# Altium PCB 2 Layers.PcbDoc (part 1 of 2)
Units mm, origin at the board's own origin, x right, y up, seen from the top; angles counter-clockwise.
Board outline 88.4 x 35.06 mm, 4 copper layers (Top Layer 1, Signal 1, Signal 2, Bottom Layer 1), stack 1.782 mm thick; 98 components, 66 nets, 394 pads, 465 vias.
Unrouted connection lines stored in the file: 2.
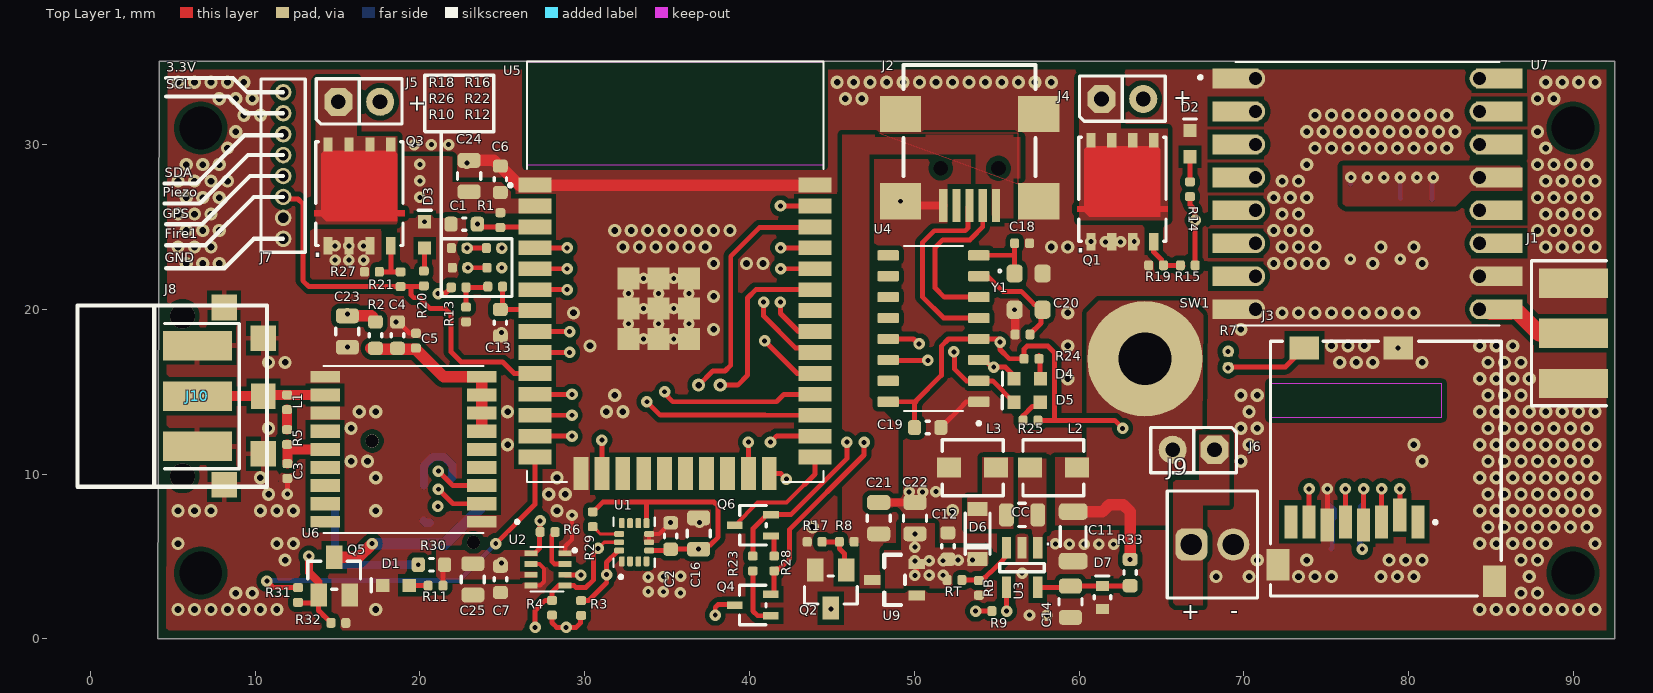
[diagram p0: Top Layer 1 view]
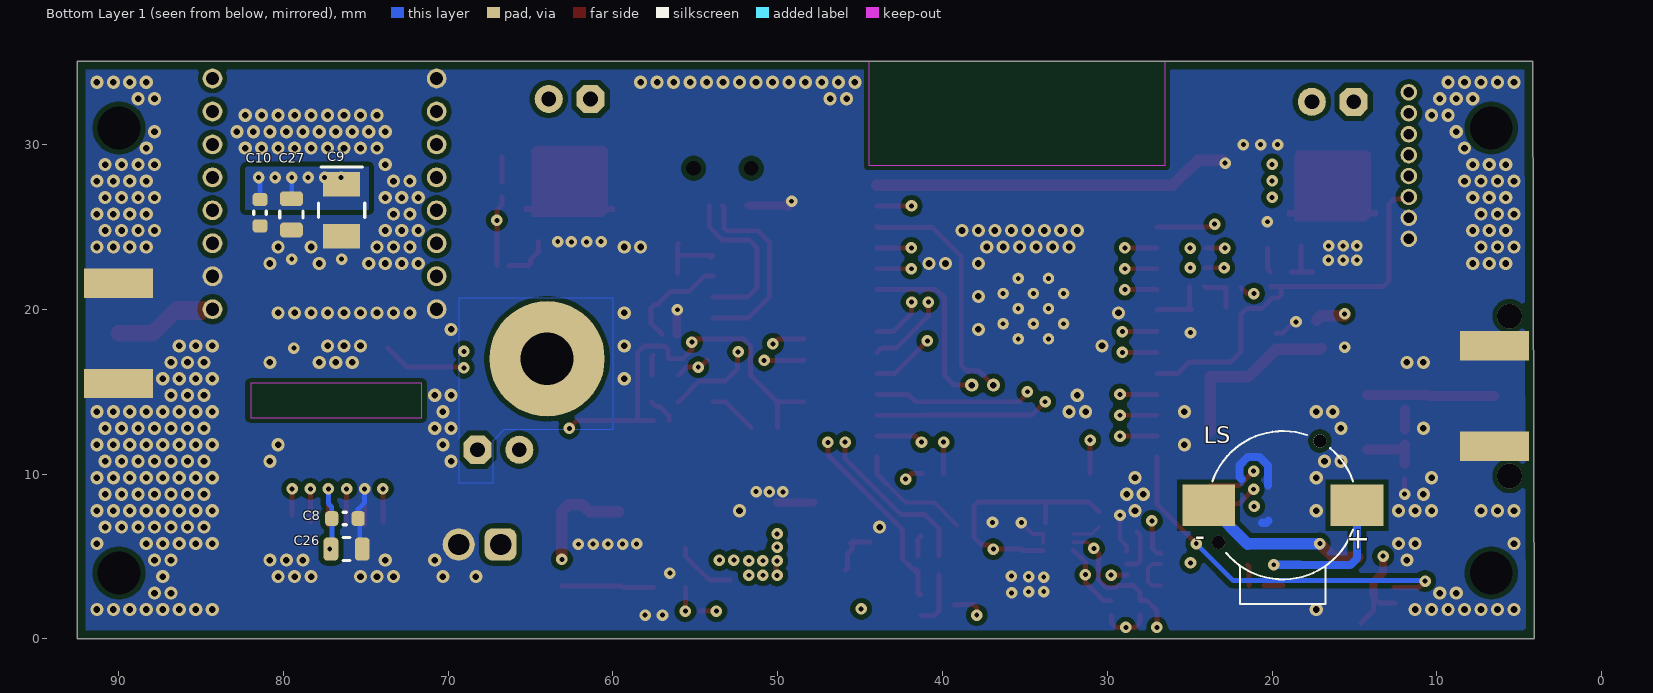
[diagram p1: Bottom Layer 1 view, seen from below]
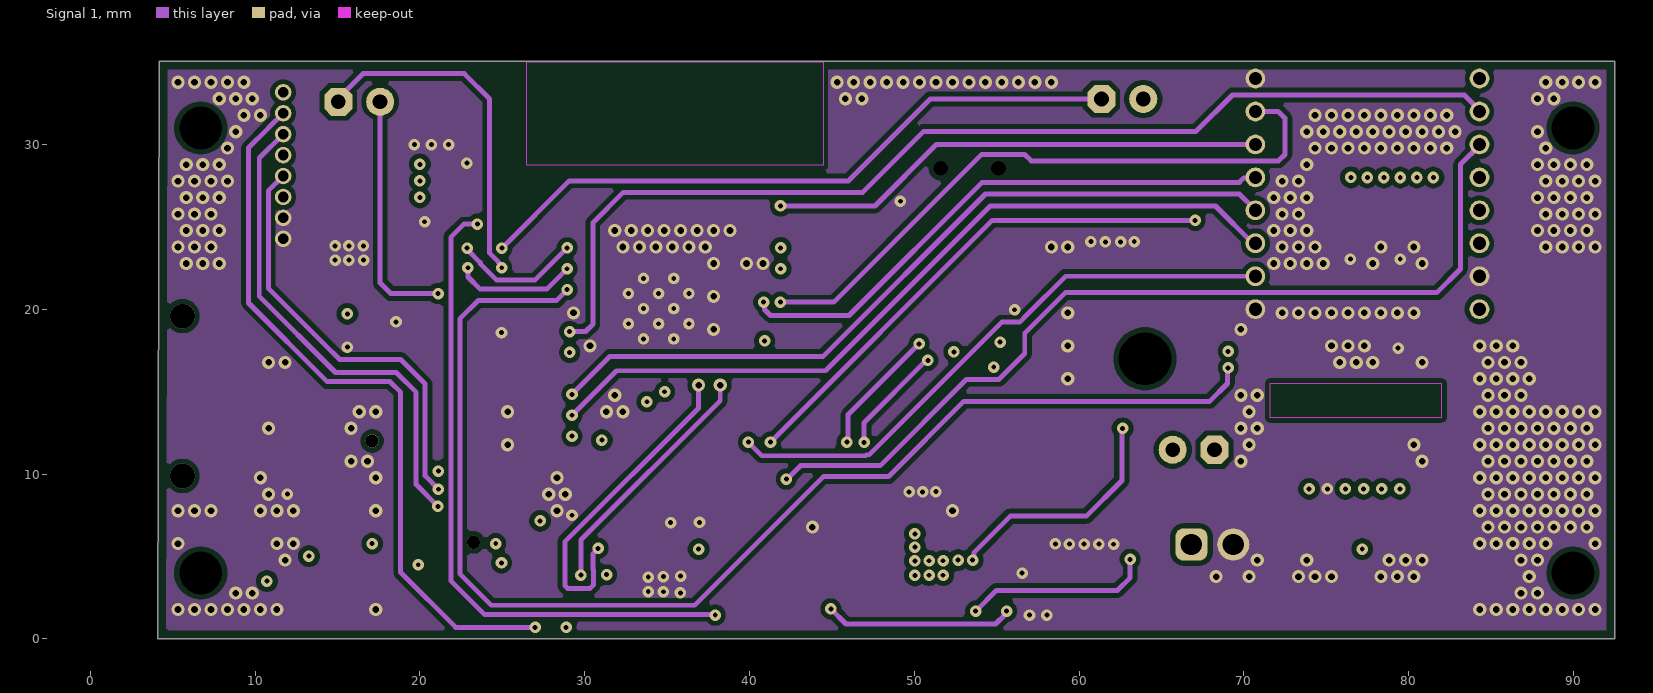
[diagram p2: Signal 1]
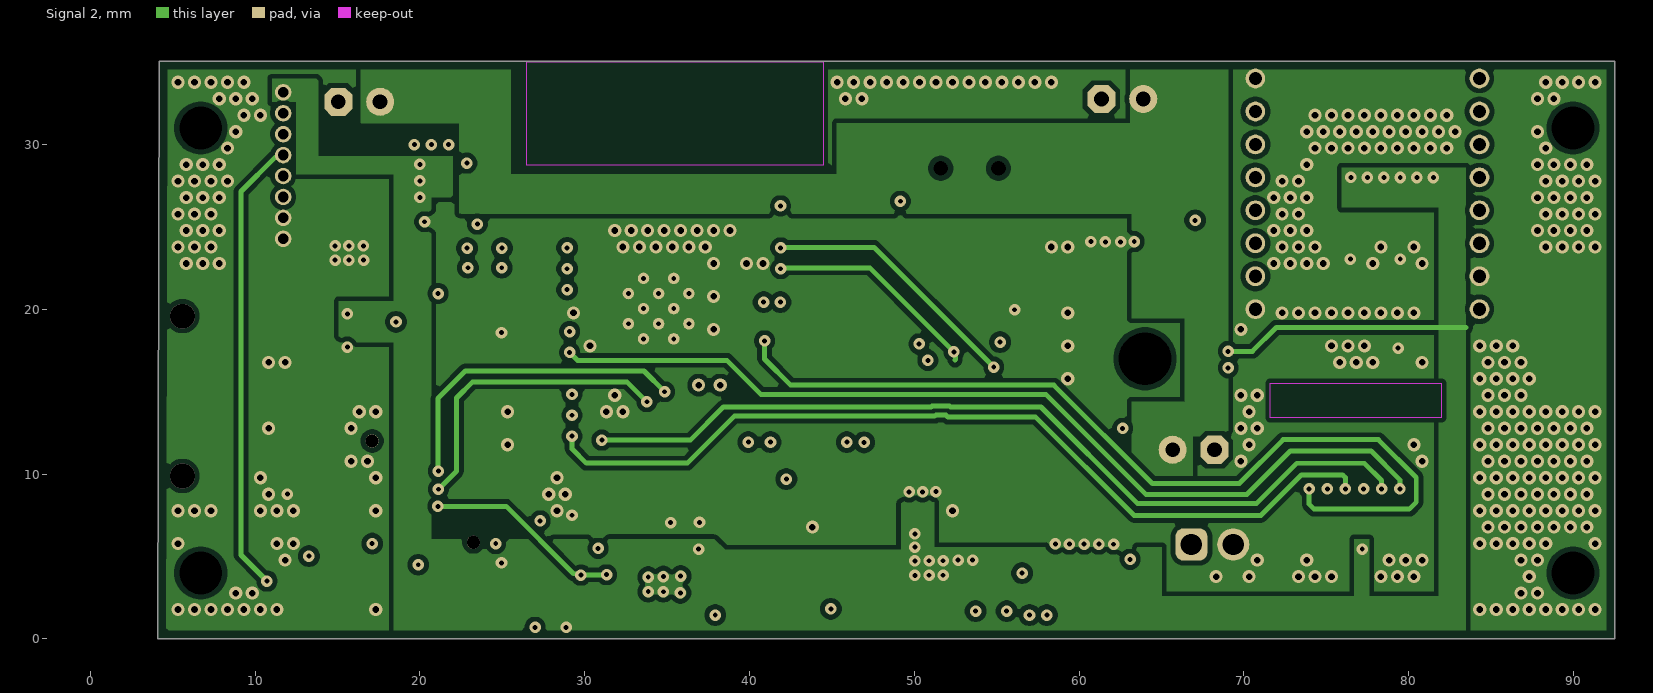
[diagram p3: Signal 2]

## Layer stack, top to bottom
Top Solder: solder mask 0.01, Solder Resist, Dk 3.5
Top Layer 1: signal copper 0.035
Dielectric 1: prepreg 0.0711, PP-006, Dk 4.1
Signal 1: signal copper 0.035
Dielectric1: core 1.5, FR-4, Dk 4.8
Signal 2: signal copper 0.035
Dielectric 2: prepreg 0.0711, PP-006, Dk 4.1
Bottom Layer 1: signal copper 0.035
Bottom Solder: solder mask 0.01, Solder Resist, Dk 3.5

## Board outline
4.101,0 92.5,0 92.5,35.062 4.18,35.062

## Design rules (kind name [scope] priority, off if disabled: settings)
AcuteAngle [All] p1: minimum=9.00000000000000E+0001 checktracksonly=TRUE
BoardOutlineClearance BoardOutlineClearance_Overlay [OnLayer('Top Overlay','Bottom Overlay')] p1: gap=0.2 ignorepadtopadclearanceinfootprint=FALSE
BoardOutlineClearance [All] p2: gap=0.5 ignorepadtopadclearanceinfootprint=FALSE
Clearance "Net to Polygon 0.5mm" [InNet('your net here') vs (IsRegion)] p1: gap=0.5 ignorepadtopadclearanceinfootprint=FALSE
Clearance Clearance_1 [(InNet('VBat') AND InNet('NetJ6_1')) vs OnLayer('Multi-Layer')] p2: gap=0 ignorepadtopadclearanceinfootprint=TRUE
Clearance "Poly 0.3mm" [(IsRegion)] p3: gap=0.3 ignorepadtopadclearanceinfootprint=FALSE
Clearance [All] p4: gap=0.25 ignorepadtopadclearanceinfootprint=TRUE except(0.2: SMDPad-SMDPad)
ComponentClearance ComponentClearance_ignore [InComponent('SW1')] p1: gap=0 collisioncheckmode=3 verticalgap=0 showdistances=FALSE
ComponentClearance [All] p2: gap=0.2 collisioncheckmode=3 verticalgap=0.2 showdistances=FALSE
DiffPairsRouting [All] p1: maxlimit=0.254 minlimit=0.25 mostfreqgap=0.254 toplayer_maxgap=0.25 toplayer_prefgap=0.25 toplayer_minwidth=0.25 toplayer_maxwidth=0.25 toplayer_prefwidth=0.25 midlayer1_mingap=0.254 midlayer1_minwidth=0.381 midlayer1_maxwidth=0.381 midlayer1_prefwidth=0.381 midlayer2_mingap=0.254 midlayer2_minwidth=0.381 midlayer2_maxwidth=0.381 midlayer2_prefwidth=0.381 bottomlayer_maxgap=0.25 bottomlayer_prefgap=0.25 bottomlayer_minwidth=0.25 bottomlayer_maxwidth=0.25 bottomlayer_prefwidth=0.25 maxuncoupledlength=12.7
FabricationTestPointUsage TestPointUsage [All] p1: valid=0 allowmultiple=FALSE
FabricationTestpoint Testpoint [All] p1: side=3 testpointundercomponent=TRUE minsize=1.016 maxsize=2.54 preferedsize=1.524 minholesize=0 maxholesize=1.016 preferedholesize=0.813 testpointgrid=0.025 allowsidetop=TRUE allowsidebottom=TRUE usegrid=TRUE gridtolerance=0
HoleSize [All] p1: absolutevalues=TRUE maxlimit=6 minlimit=0.25 maxpercent=80.000 minpercent=20.000
HoleToHoleClearance [All] p1: gap=0.3 allowstackedmicrovias=FALSE
MinimumAnnularRing [All] p1: minimumring=0.15
MinimumSolderMaskSliver [All] p1: minsoldermaskwidth=0.15
NetsToIgnore [InNet('VBat', 'NetJ6_1')] p1:
PasteMaskExpansion PasteMaskExpansion_DNP [IsPad AND HasCompParameterValue('Populated','DNP')] p1: expansion=-5
PasteMaskExpansion [All] p2: expansion=0
PlaneClearance PlaneClearance_pads [IsPad] p1: clearance=0.3
PlaneClearance PlaneClearance_drill [IsObjectKind('Hole')] p2: clearance=0.4
PlaneConnect PlaneConnect_full [IsVia] p1: planeconnectstyle=Direct reliefexpansion=0.5 reliefentries=4 reliefconductorwidth=0.3 reliefairgap=0.3
PlaneConnect [All] p2: planeconnectstyle=Relief reliefexpansion=0.3 reliefentries=4 reliefconductorwidth=0.25 reliefairgap=0.25
PolygonConnect PolygonConnect_0.7 [IsNamedPolygon('0.7mm') vs (InPadClass('All Pads'))] p1: connectstyle=Relief reliefconductorwidth=0.7 reliefentries=4 polygonreliefangle="90 Angle" airgapwidth=0.25
PolygonConnect PolygonConnect_0.5 [IsNamedPolygon('0.5mm') vs (InPadClass('All Pads'))] p2: connectstyle=Relief reliefconductorwidth=0.5 reliefentries=4 polygonreliefangle="90 Angle" airgapwidth=0.25
PolygonConnect PolygonConnect_full [All vs IsVia or IsNamedPolygon('full')] p3: connectstyle=Direct reliefconductorwidth=0 reliefentries=4 polygonreliefangle="90 Angle" airgapwidth=0.254
PolygonConnect [All] p4: connectstyle=Relief reliefconductorwidth=0.3 reliefentries=4 polygonreliefangle="90 Angle" airgapwidth=0.25
RoomDefinition PowerSupply [InComponentClass('PowerSupply')] p1 off: confinementstyle=ConfineIn formatcopy=TRUE lockcomponents=FALSE outline -327.18,-494.218 -276.38,-494.218 -276.38,-468.818 -327.18,-468.818
RoutingCorners [All] p1: cornerstyle=45-Degree minsetback=2.5 maxsetback=2.5
RoutingLayers [All] p1: top layer_v5=TRUE mid layer 1_v5=FALSE mid layer 2_v5=FALSE bottom layer_v5=TRUE
RoutingVias [All] p1: holewidth=0.4 width=0.8 viastyle="Through Hole" minholewidth=0.3 minwidth=0.7 maxholewidth=1.6 maxwidth=2.5
SMDToCorner [All] p1: distance=39370
ShortCircuit [IsNet] p1: allowed=FALSE
SilkToSilkClearance [All] p1: silktosilkclearance=0.15
SilkToSolderMaskClearance SilkscreenOverComponentPads [IsPad] p1: minsilkscreentomaskgap=0.2 clearancetoexposedcopper=TRUE
SolderMaskExpansion SolderMaskExpansion_Component_Via [IsComponentVia] p1: expansion=0.075 istentingtop=FALSE soldermaskfromhole=TRUE
SolderMaskExpansion [All] p2: expansion=0.1 istentingtop=FALSE
UnRoutedNet [All] p1: checkbadconnections=TRUE
ViasUnderSMD [All] p1: allowed=FALSE
Width [All] p1: maxlimit=7 minlimit=0.2 preferedwidth=0.3 minimp=50.000000 maximp=50.000000 favimp=50.000000
14 further rules are at their usual default settings.

## Classes and differential pairs
component class PowerSupply: C11 C12 C13 C14 C18 C19 C20 C21 C22 CC D1 D2 D3 D4 D5 D6 D7 J2 J4 J5 J6 J9 L2 L3 LS Q1 Q2 Q3 Q4 Q5 Q6 R8 R9 R10 R11 R12 R13 R14 R15 R16 R17 R18 R19 R20 R21 R22 R23 R24 R25 R26 R27 R28 R30 R31 R32 R33 RB RT SW1 U3 U4 U9 Y1

## Components (designator, comment, footprint, x,y, rotation, side; value= is the part's Value field where it differs from the comment)
C1 "Capacitor NP" CAP_C_0603 22.684,25.169 r0 top value=0.1uF
C2 "Capacitor NP" CAP_C_0603 35.219,6.244 r270 top value=0.1uF
C3 "Capacitor NP" CAP_C_0402 11.954,10.182 r90 top value=10000pF
C4 "Capacitor NP" CAP_C_0603 18.639,18.437 r270 top value=0.1uF
C5 "Capacitor NP" CAP_C_0402 19.756,18.1 r270 top value=10pF
C6 "Capacitor NP" CAP_C_0603 24.88,27.89 r270 top value=0.1uF
C7 "Capacitor NP" CAP_C_0603 24.887,3.613 r90 top value=0.1uF
C8 "Capacitor NP" CAP_C_0603 76.265,7.302 r0 bottom value=0.1uF
C9 "Capacitor POL" CAP_TANT_B 76.465,26.017 r270 bottom value=10uF
C10 "Capacitor NP" CAP_C_0603 81.418,25.863 r90 bottom value=0.1uF
C11 "Capacitor NP" CAP_C_1206 59.643,6.225 r90 top value=10uF
C12 "Capacitor NP" CAP_C_0603 52.043,5.635 r270 top value=10uF
C13 "Capacitor NP" CAP_C_0603 24.88,19.187 r90 top value=0.1uF
C14 "Capacitor NP" CAP_C_0805 59.478,2.254 r90 top value=1.2uF
C16 "Capacitor NP" CAP_C_0805 36.915,6.394 r270 top value=2.2uF
C18 "Capacitor NP" CAP_C_0402 56.543,24.009 r180 top value=20pF
C19 "Capacitor NP" CAP_C_0603 50.816,12.827 r180 top value=0.1uF
C20 "Capacitor NP" CAP_C_0402 56.574,18.476 r0 top value=20pF
C21 "Capacitor NP" CAP_C_0805 47.843,7.325 r270 top value=2.2uF
C22 "Capacitor NP" CAP_C_0805 50.043,7.325 r270 top value=2.2uF
C23 "Capacitor NP" CAP_C_0805 15.595,18.653 r90 top value=2.2uF
C24 "Capacitor NP" CAP_C_0805 22.984,28.09 r270 top value=2.2uF
C25 "Capacitor NP" CAP_C_0805 23.211,3.613 r90 top value=2.2uF
C26 "Capacitor NP" CAP_C_0805 76.165,5.453 r0 bottom value=2.2uF
C27 "Capacitor NP" CAP_C_0805 79.513,25.763 r90 bottom value=2.2uF
CC "Capacitor NP" CAP_C_0805 56.543,7.525 r180 top value=4.7uF
D1 "LED_red" LED_0603_RED 18.549,3.245 r180 top value=RED
D2 "LED_red" LED_0603_RED 66.734,30.057 r90 top value=RED
D3 "LED_red" LED_0603_RED 20.287,24.516 r90 top value=RED
D4 "LED_red" LED_0603_RED 56.853,15.789 r180 top value=RED
D5 "LED_red" LED_0603_RED 56.849,14.367 r180 top value=RED
D6 "Diode Schottky" SOD-123FL_L 53.843,6.369 r270 top value=RB161MM-20TR
D7 "Diode Zener" SOD-523 61.419,2.522 r90 top value=3.3V
J1 "CON_EDGE_SMA" CON_SMA_142-0711-821 92.5,18.543 r90 top value="RF Coaxial Female"
J2 "CON USB2.0 Mini_Micro" CON_USB-B_Mini_SMD_RA_HIR_UX60-MB-5ST 53.356,29.083 r180 top value="USB2.0 MINI-B FEMALE"
J3 "MEM2061-01-188-00-A_REVA" GCT_MEM2061-01-188-00-A_REVA 78.625,10.331 r0 top
J4 "Header 1x2" HDR_M_2.54_1x2 62.627,32.766 r0 top value="HDR-2.54 Male 1x2"
J5 "Header 1x2" HDR_M_2.54_1x2 16.317,32.596 r0 top value="HDR-2.54 Male 1x2"
J6 "Header 1x2" HDR_M_2.54_1x2 66.953,11.478 r180 top value="HDR-2.54 Male 1x2"
J7 "Header 1x8" HDR_M_1.27_1x8_V_TH_TMS-108-02-G-S 11.7,28.725 r270 top value="HDR-1.27 Male 1x8"
J8 "AP.10H GPS" AP.10H_GPS 4.965,14.737 r90 top
J9 "691210910002" 691210910002 68.091,5.73 r0 top
J10 "CON_EDGE_SMA" CON_SMA_142-0711-821 4,14.734 r270 top value="RF Coaxial Female"
L1 "Inductor" IND_C_0402 11.94,14.361 r90 top value=27nH
L2 "Inductor" IND_CFT_SRP3020_L3.5W3.2H1.8_L 58.443,10.394 r180 top value=5.6uH
L3 "Inductor" IND_CFT_SRP3020_L3.5W3.2H1.8_L 53.543,10.394 r0 top value=5.6uH
LS "CBT-09427-SMT" CUI_CBT-09427-SMT 19.35,8.114 r0 bottom
Q1 "Transistor MOS-N SSSGDDDD" PDFN-8_5x6 62.627,27.286 r0 top value=BSC032N04LSATMA1
Q2 "Transistor MOS-N GSD" SOT-23-3 44.935,3.02 r180 top value=2N7002-G
Q3 "Transistor MOS-N SSSGDDDD" PDFN-8_5x6 16.329,27.02 r0 top value=BSC032N04LSATMA1
Q4 "Transistor NPN BEC" SOT-323-3 40.2,2.054 r90 top value=BC847W
Q5 "Transistor MOS-N GSD" SOT-23-3 14.799,3.804 r0 top value=2N7002-G
Q6 "Transistor NPN BEC" SOT-323-3 40.21,6.894 r90 top value=BC847W
R1 "Resistor" RES_C_0402 24.88,25.413 r270 top value=10k
R2 "Resistor" RES_C_0603 17.3,18.437 r270 top value=BLM18EG601SN1D
R3 "Resistor" RES_C_0402 29.782,1.871 r270 top value=2.2k
R4 "Resistor" RES_C_0402 28.018,1.889 r270 top value=2.2k
R5 "Resistor" RES_C_0402 11.94,12.25 r90 top value=10R
R6 "Resistor" RES_C_0402 27.75,6.489 r180 top value=10k
R7 "Resistor" RES_C_0402 69.053,16.95 r270 top value=10k
R8 "Resistor" RES_C_0402 45.905,5.894 r0 top value=100R
R9 "Resistor" RES_C_0402 55.157,1.687 r180 top value=33k
R10 "Resistor" RES_C_0402 22.352,21.336 r180 top value=10k
R11 "Resistor" RES_C_0402 20.95,3.229 r0 top value=2.2k
R12 "Resistor" RES_C_0402 24.568,21.378 r0 top value=1k
R13 "Resistor" RES_C_0402 22.802,19.685 r90 top value=3.3k
R14 "Resistor" RES_C_0402 66.734,27.289 r270 top value=2.2k
R15 "Resistor" RES_C_0402 66.6,22.672 r0 top value=100R
R16 "Resistor" RES_C_0402 24.48,23.716 r0 top value=100k
R17 "Resistor" RES_C_0402 43.955,5.894 r0 top value=33k
R18 "Resistor" RES_C_0402 22.359,23.716 r0 top value=62k
R19 "Resistor" RES_C_0402 64.676,22.672 r0 top value=3.3k
R20 "Resistor" RES_C_0402 20.237,21.878 r270 top value=2.2k
R21 "Resistor" RES_C_0402 18.828,21.828 r270 top value=100R
R22 "Resistor" RES_C_0402 24.516,22.524 r0 top value=100k
R23 "Resistor" RES_C_0402 40.2,4.575 r270 top value=10k
R24 "Resistor" RES_C_0402 57.114,17 r180 top value=2.2k
R25 "Resistor" RES_C_0402 57.056,13.259 r0 top value=2.2k
R26 "Resistor" RES_C_0402 22.415,22.524 r0 top value=62k
R27 "Resistor" RES_C_0402 17.087,22.278 r0 top value=3.3k
R28 "Resistor" RES_C_0402 41.5,4.575 r90 top value=10k
R29 "Resistor" RES_C_0402 30.487,7.26 r270 top value=10k
R30 "Resistor" RES_C_0603 20.7,4.501 r0 top value=10R
R31 "Resistor" RES_C_0402 12.6,2.663 r90 top value=100R
R32 "Resistor" RES_C_0402 15.05,0.973 r180 top value=10k
R33 "Resistor" RES_C_0603 63.1,4.028 r90 top value=221R
RB "Resistor" RES_C_0402 53.919,3.097 r90 top value=1.3k
RT "Resistor" RES_C_0402 52.443,3.575 r180 top value=2.2k
SW1 "Srew SW" Screw_SW 64.016,16.931 r0 top locked
U1 "LSM6DSO32" PQFN50P250X300X86-14N 33,5.865 r90 top
U2 "BMP280" XDCR_BMP280 27.7,4.22 r0 top
U3 "MCP1663 SOT-23-5" SOT-23-5 56.543,4.325 r180 top value=MCP1663
U4 "CH340G" SOIC127P600X180-16N 51.169,18.836 r180 top
U5 "ESP32-WROOM-32" MODULE_ESP32-WROOM-32 35.487,22.283 r0 top
U6 "MAX-M8C-0-10" XCVR_MAX-M8C-0-10 19,11.5 r180 top
U7 "RFM98W-433S2" XCVR_RFM98W-433S2 77.5,27.009 r0 top
U9 "MCP170X SOT-23-3_SOT-23A-3" SOT-23A-3 48.797,3.584 r90 top value=MCP1703A/3.3V
Y1 "ABM8-12.000MHZ-B2-T3" OSCSC320X250X100N 56.941,21.075 r0 top

## Footprints (in the part's own frame and the unit in brackets; to place one, negate y for a bottom-side part, rotate by r counter-clockwise, add the part's x,y. Pads: shape width x height; smd on the part's side, far side on the other; paste and mask are expansions set on the pad)
691210910002 [mm] "2,54mm - modular - green - Horizontal wire entry - Cage clamp - 0,8mm2 wires - 02p"
  rrect50% 1.95x1.95 hole 1.3: 1(-1.27,0)
  round 1.95 hole 1.3: 2(1.27,0)
  silkscreen extent -2.74,-3.25 2.74,3.25, body extent -2.74,-3.25 2.74,3.25, height 8.55
AP.10H_GPS [mm] "Amphenol RF Coaxial SMA Female 2P TH RA"
  rect 1.55x1.55 smd: 1(-5.375,-3.148) 2(-3.5,-5.534) 4(3.5,-5.534) 5(5.375,-3.148)
  rect 1.55x1.5 smd: 3(0,-5.534)
  silkscreen extent -5.5,-5.75 5.5,5.75, body extent -5.44,-5.69 5.56,6.31, height 7.05
CAP_C_0402 [mm] "Chip Capacitor, 2-Leads, Body 1.0x0.5mm, IPC High Density"
  rrect50% 0.55x0.6 smd: 1(-0.45,0) 2(0.45,0)
  body extent -0.5,-0.3 0.5,0.3, height 0.2
CAP_C_0603 [mm] "Chip Capacitor, 2-Leads, Body 1.6x0.8mm, IPC Medium Density"
  rrect50% 0.8x0.9 smd: 1(-0.8,0) 2(0.8,0)
  silkscreen extent -0.1,-0.38 0.1,0.38, body extent -0.8,-0.4 0.8,0.4, height 0.65
CAP_C_0805 [mm] "Chip Capacitor, 2-Leads, Body 2.0x1.3mm, IPC Medium Density"
  rrect50% 0.9x1.4 smd: 1(-0.95,0) 2(0.95,0)
  silkscreen extent -0.2,-0.7 0.2,0.7, body extent -1,-0.62 1,0.63, height 0.78
CAP_C_1206 [mm] "Chip Capacitor, 2-Leads, Body 3.2x1.6mm, IPC Medium Density"
  rrect50% 1x1.75 smd: 1(-1.5,0) 2(1.5,0)
  silkscreen extent -0.6,-0.77 0.6,0.77, body extent -1.6,-0.8 1.6,0.8, height 1
CAP_TANT_B [mm] "Molded Capacitor, 2-Leads, Body 3.5x2.8mm, IPC Medium Density"
  rect 1.5x2.25 smd: 1(-1.575,0) 2(1.575,0)
  silkscreen extent -2.63,-1.4 0.43,1.4, body extent -1.84,-1.4 1.85,1.42, height 2.09
CON_SMA_142-0711-821 [mil] "Emerson CONN SMA JACK END LAUNCH PCB 18Ghz"
  rect 70x165 smd: 1(0,98.43) 2(-120,98.43) 2(120,98.43)
  rect 70x165 smd far side: 2(-120,98.43) 2(120,98.43)
  silkscreen extent -173,20 173,198, body extent -125,-382 125,143, height 141
CON_USB-B_Mini_SMD_RA_HIR_UX60-MB-5ST [mm] "USB Mini B Metal Shield SMT R/A Type With Positioning Post"
  rect 2.5x2.2 smd: 0(-4.2,-2.775) 0(-4.2,2.525) 0(4.2,-2.775) 0(4.2,2.525)
  rect 0.5x2 smd: 1(-1.6,2.775) 2(-0.8,2.775) 3(0,2.775) 4(0.8,2.775) 5(1.6,2.775)
  round 0 hole 0.9 unplated: MH(-1.75,0.525) MH(1.75,0.525)
  silkscreen extent -4,-5.75 4,1, body extent -4.95,-5.85 4.95,3.15, height 4.6
CUI_CBT-09427-SMT [mm]
  rect 3.2x2.5 smd: M(4.5,0) P(-4.5,0)
  round 0.8 hole 0.8 unplated: ""(-2.25,-3.897) ""(3.897,2.25)
  silkscreen extent -4.26,-4.5 4.26,6
GCT_MEM2061-01-188-00-A_REVA [mm]
  rect 0.8x2 smd: 1(1.94,-3.225) 2(0.84,-2.825) 3(-0.26,-3.225) 4(-1.36,-3.425) 5(-2.46,-3.225) 6(-3.56,-3.425) 7(-4.66,-3.225) 8(-5.76,-3.225)
  rect 1.8x1.4 smd: 9(-4.95,7.325) 10(0.75,7.325)
  rect 1.4x1.9 smd: 11(-6.55,-5.825) 12(6.6,-6.825)
  Keep-Out Layer region: 3.37,3.1 -7.011,3.1 -7.011,5.175 3.37,5.175
  silkscreen extent -7,-7.73 7,7.73
HDR_M_1.27_1x8_V_TH_TMS-108-02-G-S [mm]
  round 1 hole 0.65: 1(-4.445,0) 2(-3.175,0) 3(-1.905,0) 4(-0.635,0) 5(0.635,0) 6(1.905,0) 7(3.175,0) 8(4.445,0)
  silkscreen extent -5.26,-1.35 5.26,1.35, body extent -5.08,-1.22 5.08,1.22, height 5.08
HDR_M_2.54_1x2 [mm] "Header Male Vertical 4 Way 2.54mm Pitch"
  oct 1.7x1.7 hole 0.9: 1(-1.27,0)
  round 1.7 hole 0.9: 2(1.27,0)
  silkscreen extent -2.6,-1.35 2.6,1.4, body extent -2.54,-1.27 2.54,1.27, height 5.94
IND_C_0402 [mm]
  rrect50% 0.55x0.6 smd: 1(-0.45,0) 2(0.45,0)
  body extent -0.5,-0.3 0.5,0.3, height 0.49
IND_CFT_SRP3020_L3.5W3.2H1.8_L [mm] "Precision Wire Wound Inductor, 2-Leads, Body 3.50x3.20mm, IPC High Density"
  rect 1.45x1.2 smd: 1(-1.425,0) 2(1.425,0)
  silkscreen extent -1.85,-1.7 1.85,1.7, body extent -1.85,-1.6 1.85,1.6, height 2.1
LED_0603_RED [mm] "LED chip 0603"
  rect 0.8x0.8 smd: 1(-0.8,0) 2(0.8,0)
  silkscreen extent 1.5,-0.4 1.5,0.4, body extent -0.81,-0.4 0.81,0.4, height 0.6
MODULE_ESP32-WROOM-32 [mm]
  rect 2x0.9 smd: 1(-8.5,5.26) 2(-8.5,3.99) 3(-8.5,2.72) 4(-8.5,1.45) 5(-8.5,0.18) 6(-8.5,-1.09) 7(-8.5,-2.36) 8(-8.5,-3.63) 9(-8.5,-4.9) 10(-8.5,-6.17) 11(-8.5,-7.44) 12(-8.5,-8.71) 13(-8.5,-9.98) 14(-8.5,-11.25) 25(8.5,-11.25) 26(8.5,-9.98) 27(8.5,-8.71) 28(8.5,-7.44) 29(8.5,-6.17) 30(8.5,-4.9) 31(8.5,-3.63) 32(8.5,-2.36) 33(8.5,-1.09) 34(8.5,0.18) 35(8.5,1.45) 36(8.5,2.72) 37(8.5,3.99) 38(8.5,5.26)
  rect 0.9x2 smd: 15(-5.715,-12.25) 16(-4.445,-12.25) 17(-3.175,-12.25) 18(-1.905,-12.25) 19(-0.635,-12.25) 20(0.635,-12.25) 21(1.905,-12.25) 22(3.175,-12.25) 23(4.445,-12.25) 24(5.715,-12.25)
  rect 1.33x1.33 smd: 39_1(-2.835,-0.405) 39_2(-1,-0.405) 39_3(0.835,-0.405) 39_4(-2.835,-2.24) 39_5(-1,-2.24) 39_6(0.835,-2.24) 39_7(-2.835,-4.075) 39_8(-1,-4.075) 39_9(0.835,-4.075)
  round 0.7 hole 0.3: 39_10(-1.917,-0.405) 39_11(-0.082,-0.405) 39_12(-2.835,-1.322) 39_13(-1,-1.322) 39_14(0.835,-1.322) 39_15(-1.917,-2.24) 39_16(-0.082,-2.24) 39_17(-2.835,-3.157) 39_18(-1,-3.157) 39_19(0.835,-3.157) 39_20(-1.917,-4.075) 39_21(-0.082,-4.075)
  Keep-Out Layer region: 9,6.45 -9,6.45 -9,12.75 9,12.75
  Keep-Out Layer region: 9,6.45 -9,6.45 -9,12.75 9,12.75
  silkscreen extent -10.1,-12.75 9,12.75
OSCSC320X250X100N [mm]
  rrect53% 0.98x1.1 smd: 1(-0.85,1.1) 2(-0.85,-1.1) 3(0.85,-1.1) 4(0.85,1.1)
  silkscreen extent -1.84,1.16 -1.66,1.34
PDFN-8_5x6 [mm] "PDFN, 8-Leads, Body 5x6mm (max), Pitch 1.27mm, MCHP recommended land pattern"
  rect 0.56x1.06 smd: 1(-1.905,-3.175) 2(-0.635,-3.175) 3(0.635,-3.175) 4(1.905,-3.175)
  rect 0.56x0.86 smd: 5(1.905,2.975) 6(0.635,2.975) 7(-0.635,2.975) 8(-1.905,2.975)
  Top Layer 1 region: -2.13,2.6 -2.31,2.42 -2.31,-1.02 -2.75,-1.02 -2.75,-1.37 -2.31,-1.37 -2.005,-1.675 2.31,-1.675 2.31,-1.37 2.75,-1.37 2.75,-1.02 2.31,-1.02 2.31,2.42 2.13,2.6